# Altium PCB Radio.PcbDoc (part 1 of 3) (continued)
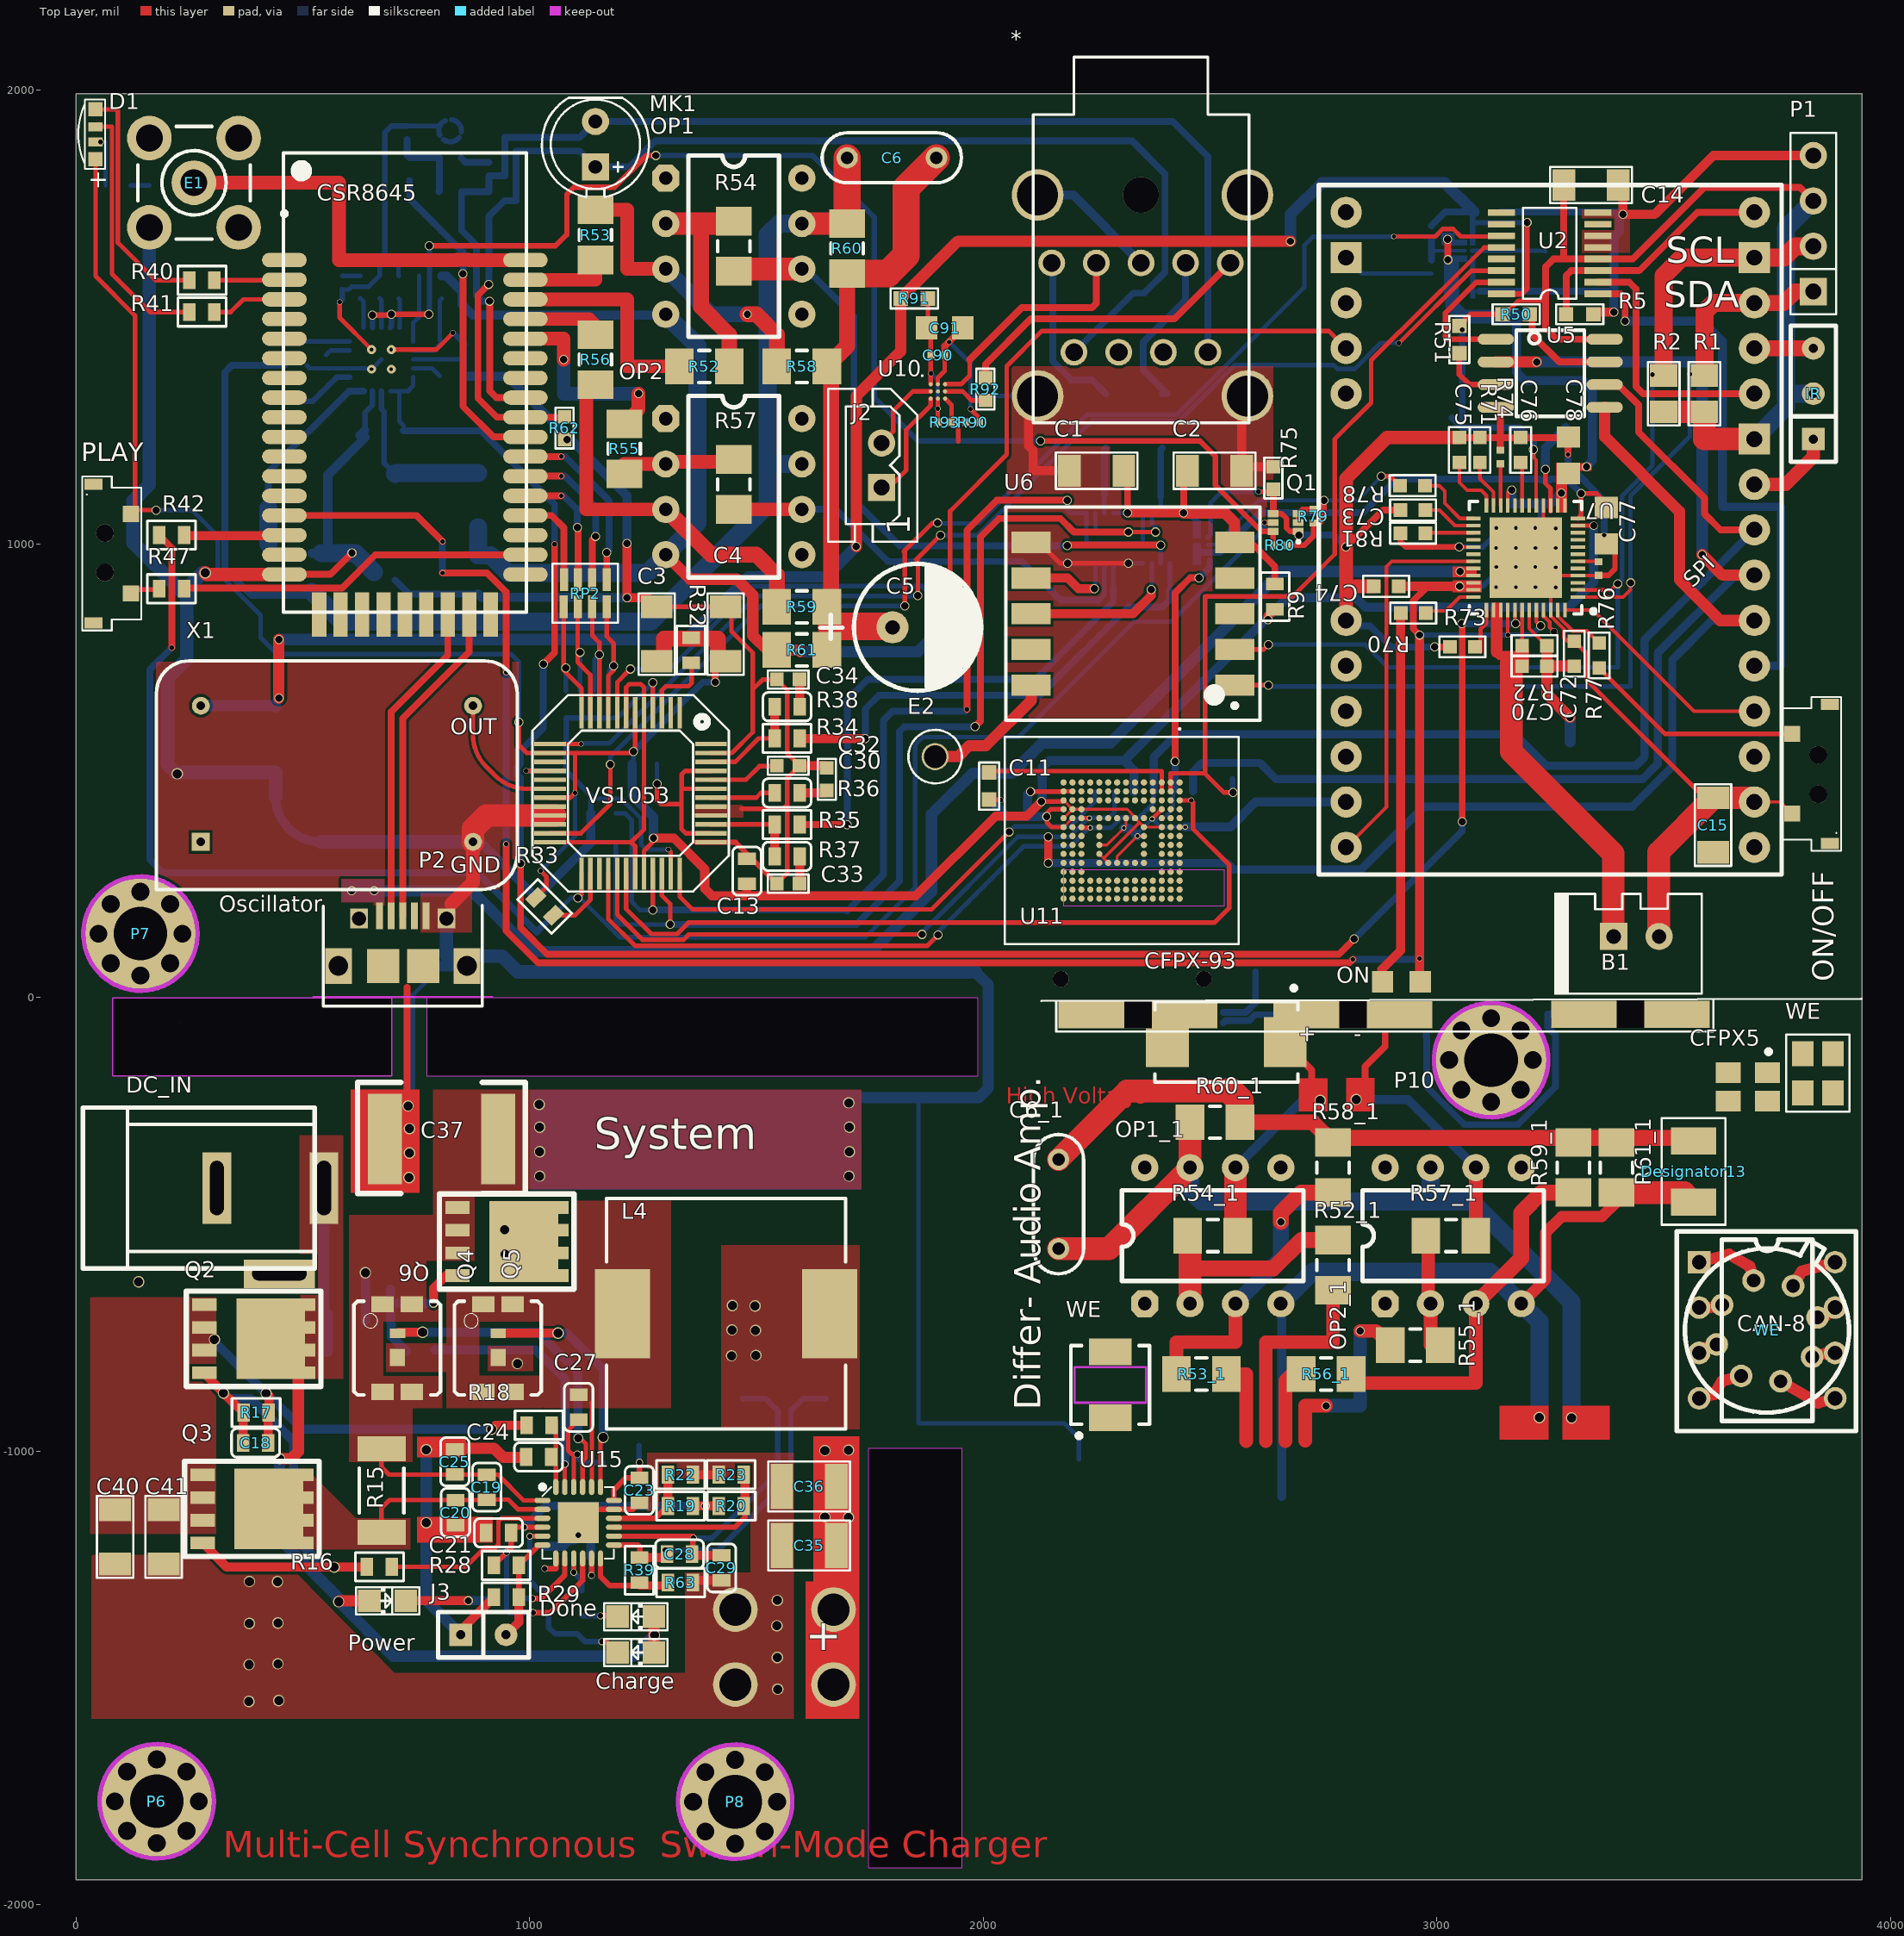
[diagram p0: Top Layer view]
## Components (designator, comment, footprint, x,y, rotation, side; value= is the part's Value field where it differs from the comment) (continued)
ON "RED" CHIPLED_0805_NOOUTLINE 2921.76,34.7 r90 top (schematic designator ON1)
ON/OFF "PWR" sw_side 3826,448 r90 top (schematic designator S1)
OP1 "OPAMP" DIP-8 1300,1806 r0 top
OP1_1 "OPAMP" DIP-8 2356,-675 r90 top
OP2 "OPAMP" DIP-8 1300,1276 r0 top
OP2_1 "OPAMP" DIP-8 2886,-675 r90 top
P1 "ST-TF-003A" *SUNTECH_ST-TF-003A_ST-TF-003A(Primary) 2341.21,244.47 r180 bottom
P1 "OLED" SIP4 3830,1556 r90 top
P2 "20329" "USB MICRO" 720.23,124.68 r0 top
P6 "RCA" "定位孔 Φ3 1" 178,-1772 r0 top
P7 "RCA" "定位孔 Φ3 1" 142,140.7 r0 top
P8 "RCA" "定位孔 Φ3 1" 1453,-1773 r0 top
P10 "RCA" "定位孔 Φ3 1" 3119.48,-138 r0 top
PLAY "CSR" sw_side 78.74,1023.62 r270 top (schematic designator S2)
Power "LED" LED-0805 687,-1330 r0 top (schematic designator D7)
Q1 "DMN5L06VK-7" sot-563 2571.48,1046.94 r90 top
Q2 "FDMS6681Z" SON8 392,-752.46 r180 top
Q3 "FDMS6681Z" SON8 388,-1127.46 r180 top
Q4 "IRF6721" DIRECTFET_IRF6721Primary) 708,-773 r270 top
Q5 "IRF6721" DIRECTFET_IRF6721Primary) 930,-773 r270 top
Q6 "FDMS6681Z" SON8 950,-538 r180 top
R1 "10K" 0805 3590,1371 r270 top
R2 "10K" 0805 3500,1371 r270 top
R3 "56K" 0201 2988.27,1686.53 r90 bottom value=56KΩ
R4 "10K" 0201 2988.29,1610.59 r90 bottom value=10KΩ
R5 "10K" 0603 3345,1506 r180 top
R6 "100K" 0603AR 1135,406 r0 bottom
R7 "100K" 0603AR 1135,341 r0 bottom
R8 "100K" 0603AR 1014.11,220.44 r315 bottom
R9 "0" 0603AR 2643,856 r90 top
R15 "RAC" 2010 673.46,-1087 r270 top
R16 "1K" 0603AR 696.46,-1255 r180 top
R17 "100K" 0603AR 424.46,-915 r180 top
R18 "10ohm" 0603AR 1048.46,-943 r180 top
R19 "100k" 0603AR 1360,-1121 r180 top
R20 "100k" 0603AR 1417,-1121 r0 top
R21 "100k" 0603AR 1080,-1164 r0 bottom
R22 "32.4K" 0603AR 1305,-1052 r0 top
R23 "10k" 0603AR 1471.8,-1052 r180 top
R24 "22.1k" 0603AR 1135,-1231 r180 bottom
R25 "10k" 0603AR 1042,-1364 r90 bottom
R26 "10k" 0603AR 1115,-1363 r90 bottom
R27 "10k" 0603AR 921,-1321.74 r0 bottom
R28 "10k" 0603AR 976,-1252 r180 top
R29 "430k" 0603AR 921,-1322 r0 top
R30 "0ohm" 0603AC 1094,882 r0 bottom
R31 "0ohm" 0603AC 1225.61,514.54 r0 bottom
R32 "10K" 0603AR 1356,738 r90 top
R33 "10K" 0603AR 1052.68,181.25 r135 top
R34 "470" 0603AR 1540,571 r0 top
R35 "470" 0603AR 1540,381 r0 top
R36 "10" 0603AC 1540,451 r0 top
R37 "20" 0603AC 1540,311 r0 top
R38 "20" 0603AC 1540,641 r0 top
R39 "500K" 0603AR 1242,-1235 r270 top
R40 "470" 0603AR 305,1581 r180 top
R41 "470" 0603AR 305,1511 r180 top
R42 "470" 0603AR 238,1019.22 r180 top
R43 "470" 0603AR 120,1790 r180 bottom
R44 "1K" 0603AR 736.32,-777.05 r0 bottom
R45 "100K" 0603AR 638,-712 r0 bottom
R46 "RSR" 2010 1561,-884 r180 bottom
R47 "470" 0603AR 183,901 r0 top
R48 "100/500" 0402 735,1851 r270 bottom
R49 "1k" 0402 800,1776 r0 bottom
R50 "10K" 0603 3145,1506 r0 top
R51 "10K" 0603 3049.58,1480.36 r270 top
R52 "10K" MELF-R3216-1206 1385,1391 r180 top
R52_1 "10K" MELF-R3216-1206 2771,-590 r270 top
R53 "10K" MELF-R3216-1206 1145,1681 r270 top
R53_1 "10K" MELF-R3216-1206 2481,-830 r0 top
R54 "10K" MELF-R3216-1206 1450,1656 r90 top
R54_1 "10K" MELF-R3216-1206 2506,-525 r180 top
R55 "10K" MELF-R3216-1206 1208.54,1209.54 r90 top
R55_1 "10K" MELF-R3216-1206 2952.46,-766.46 r180 top
R56 "10K" MELF-R3216-1206 1145,1406 r90 top
R56_1 "10K" MELF-R3216-1206 2756,-830 r180 top
R57 "10K" MELF-R3216-1206 1450,1131 r90 top
R57_1 "10K" MELF-R3216-1206 3031,-525 r180 top
R58 "10K" MELF-R3216-1206 1600,1391 r0 top
R58_1 "10K" MELF-R3216-1206 2771,-375 r90 top
R59 "10K" MELF-R3216-1206 1600,861 r180 top
R59_1 "10K" MELF-R3216-1206 3301,-375 r270 top
R60 "10K" MELF-R3216-1206 1700,1651 r270 top
R60_1 "10K" MELF-R3216-1206 2511,-275 r0 top
R61 "10K" MELF-R3216-1206 1600,766 r180 top
R61_1 "10K" MELF-R3216-1206 3396,-375 r270 top
R62 "2k2" 0402 1076.88,1280.22 r270 top
R63 "100K" 0603AR 1305,-1290 r0 top
R70 "470" 0603R-10K 2920.53,847.27 r0 top
R71 "200K" 0603R-10K 3094.83,1179.35 r90 top
R72 "30moh" 0603R-10K 3187.83,775.35 r0 top
R73 "NTC" 0603R-10K 3028.79,772.81 r0 top
R74 "0ohm" 0201 3139.83,1191.35 r90 top
R75 "0ohm" 0402 2639.65,1120 r90 top
R76 "0ohm" 0201 3356.83,945.69 r270 top
R77 "1k" 0603R-10K 3357.83,781.35 r270 top
R78 "10K" 0603R-10K 2974.01,1128.25 r180 top
R79 "100K" 0201 2727.87,1060.75 r270 top
R80 "100K" 0201 2654.62,996.63 r0 top
R81 "0" 0603R-10K 2974.83,1023.35 r180 top
R90 "100K" 0201 1977,1268 r0 top
R91 "0" 0603 1878,1541 r180 top
R92 "0" 0402 2005,1316 r90 top
R93 "100K" 0201 1915,1268 r0 top
RC1 "17k" 0402 627.01,1541.12 r90 bottom
RC2 "18k" 0402 711.14,1540.7 r90 bottom
RFB1 "137k" 0402 508.64,1393.32 r90 bottom
RFB2 "118k" 0402 806.22,1540.7 r180 bottom
RFT1 "2.43M" 0402 460.14,1443.32 r270 bottom
RFT2 "2.32M" 0402 756.22,1590.7 r0 bottom
RP1 "100k" RN8 1175,616 r180 bottom
RP2 "470ohm" RN8 1170,921 r180 top
Rslew "0ohm" 0201 551.61,1402.09 r270 bottom
Rss "" 0402 669.29,1541.1 r90 bottom
U2 "74HC138" TSSOP-16 3355,1551 r180 top
U5 "23LC1024" SO8NB 3250,1376 r270 top
U6 "RDA5807M" RDA5807M 2330,846 r180 top
U7 "AXP202" QFN-48-6MM 3195.83,969.35 r180 top
U8 "TS5A3359" DCU-8N 2257.17,1012.61 r90 bottom
U9 "TS5A3359" DCU-8N 2381.5,1012.61 r90 bottom
U10 "MAX98300+" WLP-9 1900,1336 r0 top
U11 "eMMC 153" BGA153N50P14X14_1300X1150X100N_EM08APGD3-BA000-2(Primary) 2305,346 r270 top
U12 "ADP5071" LFCSP-20 673.23,1406.65 r0 bottom
U13 "TPS61046" WCSP-6-DSBGA-6 3069.54,1646.27 r0 bottom
U14 "TPS22924C" WCSP-6-DSBGA-6 2479.14,1006.05 r270 bottom
U15 "BQ24610RGER" QFN-24 1107,-1158 r0 top
VS1053 "VS1053B" LQFP-48 1330.85,627.52 r180 top (schematic designator U3)
WE "Comment" DIP8 3578.23,-583.68 r0 top
WE "Comment" TXC 3840,-167 r90 top
WE "Comment" "WE-LHMI 4020" 2280,-854 r90 top
X1 "12.288MHz" DIL-14 875.18,343 r0 top

## Footprints (in the part's own frame and the unit in brackets; to place one, negate y for a bottom-side part, rotate by r counter-clockwise, add the part's x,y. Pads: shape width x height; smd on the part's side, far side on the other; paste and mask are expansions set on the pad)
0201 [mm] "Chip Capacitor, 2-Leads, Body 0.60x0.30mm, IPC Medium Density"
  rect 0.4x0.44 smd: 1(-0.38,0) 2(0.38,0)
  body extent -0.3,-0.15 0.3,0.15, height 0.23
0402 [mil]
  rect 30x30 smd: 1(0,0) 2(50,0)
  silkscreen extent -20,-20 70,20, body extent -6,-16 57,16, height 24
0603 [mil]
  rect 32x32 smd: 1(0,0) 2(60,0)
  silkscreen extent -22,-22 82,22
"0603 cap" [mm]
  rect 0.8x0.8 smd: 1(-0.762,0) 2(0.762,0)
  silkscreen extent -1.4,-0.63 1.4,0.64, body extent -0.8,-0.4 0.8,0.4, height 0.9
0603AC [mm]
  rect 0.7x1 smd: 1(0,0) 2(1.4,0)
  silkscreen extent -0.65,-0.8 2.05,0.8, body extent -0.1,-0.4 1.5,0.4, height 0.3
0603AR [mm]
  rect 0.7x1 smd: 1(0,0) 2(1.4,0)
  silkscreen extent -0.65,-0.8 2.05,0.8, body extent -0.09,-0.38 1.51,0.42, height 0.3
0603C-GENERIC [mil]
  rect 30x30 smd: 1(0,0) 2(55,0)
  silkscreen extent -23,-23 78,23, body extent -4,-15 59,15, height 19
0603R-10K [mil]
  rect 30x30 smd: 1(0,0) 2(55,0)
  silkscreen extent -23,-23 78,23, body extent -4,-15 59,15, height 20
0805 [mil]
  rect 50x60 smd: 1(0,0) 2(80,0)
  silkscreen extent -30,-35 110,35
0805C [mil]
  rect 40x50 smd: 1(0,0) 2(85,0)
  silkscreen extent -32,-38 117,38, body extent 3,-25 82,25, height 30
1204_RGB [mm]
  rect 0.8x0.8 smd mask+0.05: 1(-0.975,0.025) 4(1.825,0.025)
  rect 0.5x0.8 smd mask+0.05: 2(0,0.025) 3(0.85,0.025)
  silkscreen extent -2.5,-0.5 2.38,1, body extent -0.58,-0.55 1.44,0.7, height 1.1
1206 [mil]
  rect 50x70 smd: 1(0,0) 2(120,0)
  silkscreen extent -30,-40 150,40, body extent -6,-31 120,32, height 39
1210 [mil]
  rect 50x100 smd: 1(0,0) 2(120,0)
  silkscreen extent -30,-55 150,55, body extent -1,-49 125,49, height 51
1210C-GENERIC [mil]
  rect 60x100 smd: 1(0,0) 2(135,0)
  silkscreen extent -50,-70 185,70, body extent -10,-50 145,50, height 46
2010 [mm]
  rect 1.4x2.7 smd: 1(-2.35,0) 2(2.35,0)
  silkscreen extent -1.25,-1.25 1.25,1.25, body extent -2.7,-1.35 2.7,1.35, height 0.8
2220 [mil]
  rect 75x200 smd: 1(0,0) 2(250,0)
  silkscreen extent -60,-125 310,120
3528 [mm]
  rect 1.905x2 smd: 1(0,0) 2(3.683,0)
  silkscreen extent -1.4,-1.65 5.08,1.65
*SUNTECH_ST-TF-003A_ST-TF-003A(Primary) [mm]
  rect 0.7x1.6 smd: 1(3.52,5.33) 2(2.42,5.33) 3(1.32,5.33) 4(0.22,5.33) 5(-0.88,5.33) 6(-1.98,5.33) 7(-3.08,5.33) 8(-4.18,5.33) 9(-5.28,5.33)
  rect 1.4x1.6 smd: G1(-6.58,4.73)
  rect 1.4x2.2 smd: G2(-6.58,-4.77) G3(9.12,-4.77)
  rect 1.8x1.4 smd: G4(8.22,4.83)
  round 0.9 hole 0.9 unplated: None(-3.68,-5.17) None(4.32,-5.17)
  Keep-Out Layer region: 4.172,0.928 4.172,-1.073 -4.833,-1.073 -4.833,0.928
  Keep-Out Layer region: 4.172,0.928 4.172,-1.073 -4.833,-1.073 -4.833,0.928
  Keep-Out Layer region: 4.172,0.928 4.172,-1.073 -4.833,-1.073 -4.833,0.928
  silkscreen extent -6.29,-9.66 8.7,5.33
_0805MP [mil]
  rect 47.24x51.18 smd: 1(-40,0) 2(40,0)
ADMP504 [mm] "DFN, 3-Leads, Body 2.50x3.40mm, Pitch 1.52mm, IPC High Density,Si Mic, mems"
  rect 0.95x0.7 smd: 1(-0.895,0.61) 3(-0.895,-0.61)
  rect 0.15x0.15 smd paste+0 mask+0.05: 2(0.022,0.003)
  rect 0.15x0.15 smd rot 45 paste+0 mask+0.05: 2(0.875,-0.571)
  rect 0.2x0.2 smd rot 45 paste+0 mask+0.05: 2(1.05,0.446)
  Top Layer lines w0.3: 0.132,-0.377 cw(c0.65,0) 0.253,0.503 ; 1.198,-0.287 cw(c0.625,0) 0.888,-0.585 ; 1.247,0.075 ccw(c0.612,-0.012) 0.575,0.627 ; 0.38,-0.592 ccw(c0.625,0) 0.888,-0.585 ; 0.38,-0.592 ccw(c0.625,0) 0.888,-0.585 ; 0.38,-0.592 ccw(c0.625,0) 0.888,-0.585 ; 0.38,-0.592 ccw(c0.625,0) 0.888,-0.585
  silkscreen extent -1.8,-1.35 1.8,1.7, body extent -1.71,-1.3 1.72,1.28, height 0.98
BGA153N50P14X14_1300X1150X100N_EM08APGD3-BA000-2(Primary) [mm] "BGA-153 eMMC"
  round 0.35 smd: A1(-3.25,3.25) A2(-2.75,3.25) A3(-2.25,3.25) A4(-1.75,3.25) A5(-1.25,3.25) A6(-0.75,3.25) A7(-0.25,3.25) A8(0.25,3.25) A9(0.75,3.25) A10(1.25,3.25) A11(1.75,3.25) A12(2.25,3.25) A13(2.75,3.25) A14(3.25,3.25) B1(-3.25,2.75) B2(-2.75,2.75) B3(-2.25,2.75) B4(-1.75,2.75) B5(-1.25,2.75) B6(-0.75,2.75) B7(-0.25,2.75) B8(0.25,2.75) B9(0.75,2.75) B10(1.25,2.75) B11(1.75,2.75) B12(2.25,2.75) B13(2.75,2.75) B14(3.25,2.75) C1(-3.25,2.25) C2(-2.75,2.25) C3(-2.25,2.25) C4(-1.75,2.25) C5(-1.25,2.25) C6(-0.75,2.25) C7(-0.25,2.25) C8(0.25,2.25) C9(0.75,2.25) C10(1.25,2.25) C11(1.75,2.25) C12(2.25,2.25) C13(2.75,2.25) C14(3.25,2.25) D1(-3.25,1.75) D2(-2.75,1.75) D3(-2.25,1.75) D4(-1.75,1.75) D12(2.25,1.75) D13(2.75,1.75) D14(3.25,1.75) E1(-3.25,1.25) E2(-2.75,1.25) E3(-2.25,1.25) E5(-1.25,1.25) E6(-0.75,1.25) E7(-0.25,1.25) E8(0.25,1.25) E9(0.75,1.25) E10(1.25,1.25) E12(2.25,1.25) E13(2.75,1.25) E14(3.25,1.25) F1(-3.25,0.75) F2(-2.75,0.75) F3(-2.25,0.75) F5(-1.25,0.75) F10(1.25,0.75) F12(2.25,0.75) F13(2.75,0.75) F14(3.25,0.75) G1(-3.25,0.25) G2(-2.75,0.25) G3(-2.25,0.25) G5(-1.25,0.25) G10(1.25,0.25) G12(2.25,0.25) G13(2.75,0.25) G14(3.25,0.25) H1(-3.25,-0.25) H2(-2.75,-0.25) H3(-2.25,-0.25) H5(-1.25,-0.25) H10(1.25,-0.25) H12(2.25,-0.25) H13(2.75,-0.25) H14(3.25,-0.25) J1(-3.25,-0.75) J2(-2.75,-0.75) J3(-2.25,-0.75) J5(-1.25,-0.75) J10(1.25,-0.75) J12(2.25,-0.75) J13(2.75,-0.75) J14(3.25,-0.75) K1(-3.25,-1.25) K2(-2.75,-1.25) K3(-2.25,-1.25) K5(-1.25,-1.25) K6(-0.75,-1.25) K7(-0.25,-1.25) K8(0.25,-1.25) K9(0.75,-1.25) K10(1.25,-1.25) K12(2.25,-1.25) K13(2.75,-1.25) K14(3.25,-1.25) L1(-3.25,-1.75) L2(-2.75,-1.75) L3(-2.25,-1.75) L12(2.25,-1.75) L13(2.75,-1.75) L14(3.25,-1.75) M1(-3.25,-2.25) M2(-2.75,-2.25) M3(-2.25,-2.25) M4(-1.75,-2.25) M5(-1.25,-2.25) M6(-0.75,-2.25) M7(-0.25,-2.25) M8(0.25,-2.25) M9(0.75,-2.25) M10(1.25,-2.25) M11(1.75,-2.25) M12(2.25,-2.25) M13(2.75,-2.25) M14(3.25,-2.25) N1(-3.25,-2.75) N2(-2.75,-2.75) N3(-2.25,-2.75) N4(-1.75,-2.75) N5(-1.25,-2.75) N6(-0.75,-2.75) N7(-0.25,-2.75) N8(0.25,-2.75) N9(0.75,-2.75) N10(1.25,-2.75) N11(1.75,-2.75) N12(2.25,-2.75) N13(2.75,-2.75) N14(3.25,-2.75) P1(-3.25,-3.25) P2(-2.75,-3.25) P3(-2.25,-3.25) P4(-1.75,-3.25) P5(-1.25,-3.25) P6(-0.75,-3.25) P7(-0.25,-3.25) P8(0.25,-3.25) P9(0.75,-3.25) P10(1.25,-3.25) P11(1.75,-3.25) P12(2.25,-3.25) P13(2.75,-3.25) P14(3.25,-3.25)
  silkscreen extent -6.3,-6.55 5.8,6.55, body extent -5.75,-6.5 5.75,6.5, height 1
CAN8 [mil]
  round 50 hole 30: 1(0,0) 2(-34,81) 3(-115,115) 4(-196,81) 5(-230,0) 6(-196,-81) 7(-115,-115) 8(-34,-81)
  silkscreen extent -295,-181 67,181
CFPX-5 [mm] "Quartz Crystal, SM; Body 3.4 x 2.7 mm (LxW max)"
  rect 1.4x1.15 smd: 1(-1.1,-0.8) 2(1.1,-0.8) 3(1.1,0.8) 4(-1.1,0.8)
  silkscreen extent -1.27,-2.09 -1.03,-1.84, body extent -1.6,-1.28 1.6,1.22, height 0.77
CFPX-93 [mm] "Quartz Crystal, SM; Body 8.2 x 4.7 mm (LxW max)"
  rect 2.4x2.8 smd: 1(-3.3,0) 2(3.3,0)
  silkscreen extent -4,-3.14 4,2.25
CHIPLED_0805_NOOUTLINE [mm]
  rect 1.2x1.2 smd: A(0,-1.05) C(0,1.05)
CSR8645 [mm] "TQFP, 52-Leads, Body 13.50x26.20mm, Pitch 1.10mm, IPC Medium Density"
  oval 2.5x0.8 smd: 1(-6.75,7.1) 2(-6.75,5.999) 3(-6.75,4.9) 4(-6.75,3.799) 5(-6.75,2.7) 6(-6.75,1.599) 7(-6.75,0.5) 8(-6.75,-0.601) 9(-6.75,-1.7) 10(-6.75,-2.801) 11(-6.75,-3.9) 12(-6.75,-5) 13(-6.75,-6.101) 14(-6.75,-7.2) 15(-6.75,-8.301) 16(-6.75,-9.4) 17(-6.75,-10.501) 27(6.75,-10.501) 28(6.75,-9.4) 29(6.75,-8.301) 30(6.75,-7.2) 31(6.75,-6.101) 32(6.75,-5) 33(6.75,-3.9) 34(6.75,-2.801) 35(6.75,-1.7) 36(6.75,-0.601) 37(6.75,0.5) 38(6.75,1.599) 39(6.75,2.7) 40(6.75,3.799) 41(6.75,4.9) 42(6.75,5.999) 43(6.75,7.1)
  rect 0.8x2.5 smd: 18(-4.8,-12.749) 19(-3.6,-12.749) 20(-2.4,-12.749) 21(-1.2,-12.749) 22(0,-12.749) 23(1.2,-12.749) 24(2.4,-12.749) 25(3.6,-12.749) 26(4.8,-12.749)
  silkscreen extent -6.87,-12.62 6.8,13.1, body extent -6.52,-12.35 6.48,16.15, height 2.86
DCIN [mm]
  rect 1.6x4 hole 0.8 slot 3.048 at 90 deg: 1(0,0)
  rect 1.6x4 hole 0.762 slot 3.048 at 90 deg: 2(6,0)
  rect 4x1.6 hole 0.762 slot 3.048 at 0 deg: 3(2.5,4.8)
  silkscreen extent 0.52,-4.5 13.5,4.5, body extent -0.2,-4.5 13.62,5, height 11.2
DCU-8N [mm]
  rect 1.12x0.27 smd: 1(-1.405,0.75) 2(-1.405,0.25) 3(-1.405,-0.25) 4(-1.405,-0.75) 5(1.405,-0.75) 6(1.405,-0.25) 7(1.405,0.25) 8(1.405,0.75)
  silkscreen extent -2.6,-1.2 1.2,1.2
DIL-14 [mm]
  rect 1x1 hole 0.48: 1(-15.25,0)
  round 1 hole 0.48: 2(0,0) 3(0,7.62) 4(-15.24,7.62)
  silkscreen extent -17.73,-2.67 2.48,10.13, body extent -17.72,-2.67 2.48,10.03, height 4.6
DIP8 [mil]
  rect 50x50 hole 32: 1(0,0)
  round 50 hole 32: 2(0,-100) 3(0,-200) 4(0,-300) 5(300,-300) 6(300,-200) 7(300,-100) 8(300,0)
  silkscreen extent 50,-350 250,50
DIP-8 [mil]
  oct 60x60 hole 30: 1(0,0)
  round 60 hole 30: 2(0,-100) 3(0,-200) 4(0,-300) 5(300,-300) 6(300,-200) 7(300,-100) 8(300,0)
  silkscreen extent 50,-350 250,50, body extent -5,-365 305,65, height 200
DIRECTFET_IRF6721Primary) [mm]
  rect 0.9x1.25 smd: D(-2.45,0.825) D(-2.45,-0.825) D(2.45,0.825) D(2.45,-0.825)
  rect 0.55x0.85 smd: G(-0.827,0.025)
  rect 0.95x0.85 smd: S(0.523,0.018)
  silkscreen extent -2.63,-2.42 2.63,2.43, body extent -3.17,-2.55 3.18,2.5, height 0.75
IHLP2525 [mm] "Precision Wire Wound Inductor, 2-Leads, Body 6.86x6.47mm, IPC Medium Density"
  rect 2.2x3.55 smd: 1(-2.975,0) 2(2.975,0)
  silkscreen extent -3.45,-3.25 3.45,3.25, body extent -3.53,-3.33 3.45,3.34, height 1.64
IHLP5050 [mm] "Precision Wire Wound Inductor, 2-Leads, Body 13.40x12.90mm, IPC Medium Density"
  rect 3.1x5 smd: 1(-5.8,0) 2(5.8,0)
  silkscreen extent -6.7,-6.45 6.7,6.45, body extent -6.62,-6.36 6.54,6.4, height 3.39
LED-0805 [mil]
  rect 50x50 smd: 1(-40,0) 2(40,0)
  silkscreen extent -70,-30 70,30
LED-F3 [mil]
  rect 60x60 hole 30: 1(0,0)
  round 60 hole 30: 2(0,-100)
  silkscreen extent -118,-152 118,66
LFCSP-20 [mm] "PQFN, 20-Leads, Body 4.00x4.00mm, Pitch 0.50mm, Thermal Pad 2.60x2.60mm, IPC Low Density"
  oval 0.6x0.4 smd: 1(-1.775,1) 2(-1.775,0.5) 3(-1.775,0) 4(-1.775,-0.5) 5(-1.775,-1) 11(1.775,-1) 12(1.775,-0.5) 13(1.775,0) 14(1.775,0.5) 15(1.775,1)
  oval 0.4x0.6 smd: 6(-1,-1.775) 7(-0.5,-1.775) 8(0,-1.775) 9(0.5,-1.775) 10(1,-1.775) 16(1,1.775) 17(0.5,1.775) 18(0,1.775) 19(-0.5,1.775) 20(-1,1.775)
  rect 2.6x2.6 smd: 21(0,0)
  silkscreen extent -2.77,-2 2,2, body extent -2.01,-2.01 2.01,2.01, height 0.8
LPS5030 [mm] "Precision Wire Wound Inductor, 2-Leads, Body 4.80x4.80mm, IPC Medium Density"
  rect 2.2x5.65 smd: 1(-1.823,0) 2(1.823,0)
  silkscreen extent -0.45,-2.4 0.45,2.4, body extent -2.44,-2.44 2.44,2.44, height 3
LQFP-48 [mil]
  rect 10x70 smd: 1(0,0) 2(19.69,0) 3(39.37,0) 4(59.06,0) 5(78.74,0) 6(98.43,0) 7(118.11,0) 8(137.8,0) 9(157.48,0) 10(177.17,0) 11(196.85,0) 12(216.54,0) 25(216.54,354.33) 26(196.85,354.33) 27(177.17,354.33) 28(157.48,354.33) 29(137.8,354.33) 30(118.11,354.33) 31(98.43,354.33) 32(78.74,354.33) 33(59.06,354.33) 34(39.37,354.33) 35(19.69,354.33) 36(0,354.33)
  rect 70x10 smd: 13(285.43,68.9) 14(285.43,88.58) 15(285.43,108.27) 16(285.43,127.95) 17(285.43,147.64) 18(285.43,167.32) 19(285.43,187.01) 20(285.43,206.69) 21(285.43,226.38) 22(285.43,246.06) 23(285.43,265.75) 24(285.43,285.43) 37(-68.9,285.43) 38(-68.9,265.75) 39(-68.9,246.06) 41(-68.9,206.69) 42(-68.9,187.01) 43(-68.9,167.32) 44(-68.9,147.64) 45(-68.9,127.95) 46(-68.9,108.27) 47(-68.9,88.58) 48(-68.9,68.9)
  rect 70.87x10 smd: 40(-68.9,226.38)
  silkscreen extent -108,-39 325,394, body extent -71,-2 283,352, height 61
MELF-R3216-1206 [mm] "Metal Electrode Face (MELF) Resistor; Body 3.2 x 1.8 mm (LxDia)"
  rect 1.6x2 smd: 1(-1.4,0) 2(1.4,0)
  silkscreen extent -0.3,-0.9 0.3,0.9, body extent -1.72,-0.7 1.88,0.7, height 1.4
P125-B [mil]
  round 60 hole 50: 1(0,0)
  silkscreen extent -59,-59 59,59
pj-31030 [mm] "2-Holes Audio Socket"
  round 1.5 hole 1 paste+0 mask+0.05: 1(8.3,6.04) 2(13.3,9.79) 3(13.3,7.29) 4(13.3,2.29) 5(13.3,4.79) 6(8.3,11.04) 7(8.3,8.54) 8(8.3,1.04) 9(8.3,3.54)
  round 2.9 hole 2.3 paste+0 mask+0.05: 10(15.75,0.25) 11(4.5,0.25) 12(4.5,12) 13(15.75,12)
  silkscreen extent -3.23,0 17.25,12.09
QFN-24 [mm]
  oval 0.9x0.3 smd: 1(-2,1.25) 2(-2,0.75) 3(-2,0.25) 4(-2,-0.25) 5(-2,-0.75) 6(-2,-1.25) 13(2,-1.25) 14(2,-0.75) 15(2,-0.25) 16(2,0.25) 17(2,0.75) 18(2,1.25)
  oval 0.3x0.9 smd: 7(-1.25,-2) 8(-0.75,-2) 9(-0.25,-2) 10(0.25,-2) 11(0.75,-2) 12(1.25,-2) 19(1.25,2) 20(0.75,2) 21(0.25,2) 22(-0.25,2) 23(-0.75,2) 24(-1.25,2)
  rect 2.286x2.286 smd: 25(0,0)
  silkscreen extent -2.13,-2 2,2.13
QFN-48-6MM [mm] "QFN, 48-Leads, Body 6.00x6.00mm, Pitch 0.40mm, Thermal Pad 4.05x4.50mm, IPC Medium Density"
  rect 0.8x0.2 smd: 1(-2.925,2.2) 2(-2.925,1.8) 3(-2.925,1.4) 4(-2.925,1) 5(-2.925,0.6) 6(-2.925,0.2) 7(-2.925,-0.2) 8(-2.925,-0.6) 9(-2.925,-1) 10(-2.925,-1.4) 11(-2.925,-1.8) 12(-2.925,-2.2) 25(2.925,-2.2) 26(2.925,-1.8) 27(2.925,-1.4) 28(2.925,-1) 29(2.925,-0.6) 30(2.925,-0.2) 31(2.925,0.2) 32(2.925,0.6) 33(2.925,1) 34(2.925,1.4) 35(2.925,1.8) 36(2.925,2.2)
  rect 0.2x0.8 smd: 13(-2.2,-2.925) 14(-1.8,-2.925) 15(-1.4,-2.925) 16(-1,-2.925) 17(-0.6,-2.925) 18(-0.2,-2.925) 19(0.2,-2.925) 20(0.6,-2.925) 21(1,-2.925) 22(1.4,-2.925) 23(1.8,-2.925) 24(2.2,-2.925) 37(2.2,2.925) 38(1.8,2.925) 39(1.4,2.925) 40(1,2.925) 41(0.6,2.925) 42(0.2,2.925) 43(-0.2,2.925) 44(-0.6,2.925) 45(-1,2.925) 46(-1.4,2.925) 47(-1.8,2.925) 48(-2.2,2.925)
  rect 4.05x4.5 smd: 49(0,0)
  silkscreen extent -3.93,-3.15 3.15,3.15, body extent -3.08,-3.08 3.08,3.08, height 1
RB3/7MM [mm]
  round 1.8 hole 0.8: 1(0,0) 2(-2.794,0)
  silkscreen extent -4.95,-3.56 4.05,3.56, body extent -5.58,-4.06 2.54,4.06, height 12.12
RDA5807M [mm]
  rect 2.2x1.2 smd: 1(-5.7,4) 2(-5.7,2) 3(-5.7,0) 4(-5.7,-2) 5(-5.7,-4) 6(5.7,-4) 7(5.7,-2) 8(5.7,0) 9(5.7,2) 10(5.7,4)
  silkscreen extent -7.11,-5.97 7.11,5.97, body extent -5.5,-5.5 5.5,5.5, height 2.2
RN8 [mil]
  rect 18x50 smd: 1(0,0) 2(32,0) 3(63.51,0) 4(94.49,0) 5(95,60) 6(64,60) 7(32,60) 8(0,60)
  silkscreen extent -25,-35 120,95, body extent -16,-2 110,61, height 20
SIP02 [mm]
  rect 1.27x1.27 hole 0.5: 1(0,0)
  round 1.27 hole 0.5: 2(2.54,0)
  silkscreen extent -1.27,-1.27 3.81,1.27
SIP2_1 [mil]
  rect 60x60 hole 35: 1(0,0)
  round 60 hole 35: 2(98.42,0)
  silkscreen extent -120,-79 218,118
SIP03 [mm]
  rect 1.27x1.27 hole 0.5: 1(0,0)
  round 1.27 hole 0.5: 2(2.54,0) 3(5.08,0)
  silkscreen extent -1.27,-1.27 6.35,1.27
SIP4 [mil]
  rect 60x60 hole 35: 1(0,0)
  round 60 hole 35: 2(100,0) 3(200,0) 4(300,0)
  silkscreen extent -50,-50 350,50
SLF6028 [mm]
  rect 1.8x2.15 smd: 1(0,0) 2(5.8,0)
  silkscreen extent -0.14,-3.04 5.94,3.04
SMA_FR [mm]
  round 2.5 hole 1.5: 1(0,0) 2(-2.5,-2.5) 2(-2.5,2.5) 2(2.5,-2.5) 2(2.5,2.5)
  silkscreen extent -3.15,-3.15 3.15,3.15, body extent -3.5,-3.5 3.5,11.6, height 10.26
SO8NB [mil]
  oval 24x80 smd: 1(-75,-120) 2(-25,-120) 3(25,-120) 4(75,-120) 5(75,120) 6(25,120) 7(-25,120) 8(-75,120)
  silkscreen extent -95,-75 95,75, body extent -97,-118 96,118, height 61
SOD-123 [mil]
  rect 40x50 smd: 1(0,0) 2(120,0)
  silkscreen extent -20,-35 140,35
SON8 [mm]
  rect 1.372x0.71 smd: 1(2.77,-0.635) 1(2.77,0.635) 1(2.77,-1.905) 4(2.77,1.905)
  rect 0.59x0.71 smd: 5(-3.15,-1.905) 5(-3.15,1.905) 5(-3.15,-0.635) 5(-3.15,0.635)
  rect 3.85x4.52 smd: 5(-0.941,0)
  silkscreen extent -3.76,-2.67 3.78,2.67, body extent -3.18,-2.5 2.82,2.5, height 1.06
sot-23 [mil]
  rect 36x36 smd: 1(47.76,-120.28)
  rect 30x36 smd: 2(122.75,-120.28)
  rect 36x50 smd: 3(85.75,-40.28)
  silkscreen extent 28,-125 143,-35
sot-563 [mm]
  rect 0.4x0.6 smd: 1(-0.5,-3.125) 2(0,-3.125) 3(0.5,-3.125) 4(0.5,-1.725) 5(0,-1.725) 6(-0.5,-1.725)
  silkscreen extent -1.15,-3.2 -1,-3.05, body extent -0.8,-3.28 0.8,-1.65, height 0.58
sw_side [mm]
  rect 0.9x0.9 smd mask+0.05: 1(-1.075,1.075) 2(3.375,1.075)
  rect 0.627x1.016 smd mask+0.05: 3(-2.75,-1.025) 4(5.025,-1.025)
  round 1 hole 1: ""(0,-0.381) ""(2.2,-0.381)
  silkscreen extent -3.17,-1.65 5.45,1.65, body extent -2.54,-1.5 3.64,1.65, height 9.88
TJC3-2A [mil]
  rect 60x60 hole 32: 1(0,0)
  round 60 hole 32: 2(100,0)
  silkscreen extent -131,-128 194,97
TSSOP-16 [mil]
  rect 60x15 smd: 1(0,0) 2(0,-25.59) 3(0,-51.18) 4(0,-76.77) 5(0,-102.36) 6(0,-127.95) 7(0,-153.54) 8(0,-179.13) 9(212.6,-179.13) 10(212.6,-153.54) 11(212.6,-127.95) 12(212.6,-102.36) 13(212.6,-76.77) 14(212.6,-51.18) 15(212.6,-25.59) 16(212.6,0)
  silkscreen extent 47,-190 165,11, body extent -13,-191 223,5, height 43
TXC [mm]
  rect 1.4x1.2 smd: 1(-1.1,-0.85) 2(1.1,-0.85) 3(1.1,0.85) 4(-1.1,0.85)
  silkscreen extent -2.16,-1.78 2.16,1.78
"USB MICRO" [mm]
  rect 1.5x2 hole 1.1 unplated: 0(-3.6,-1.4) 0(3.6,-1.4)
  rect 1x1.1 hole 0.8 unplated: 0(-2.45,1.25) 0(2.45,1.25)
  rect 1.8x1.9 smd: 0(-1.1,-1.4) 0(1.15,-1.4)
  rect 0.4x1.5 smd: 1(-1.3,1.4) 2(-0.65,1.4) 3(0,1.4) 4(0.65,1.4) 5(1.3,1.4)
  Keep-Out Layer lines w0.125: -5,-3.15 5,-3.15
  silkscreen extent -4.45,-3.65 4.45,2, body extent -4.45,-3.65 4.45,1.45, height 1.86
WCSP-6-DSBGA-6 [mm] "WCSP"
  round 0.23 smd: A1(-0.2,0.4) A2(0.2,0.4) B1(-0.2,0) B2(0.2,0) C1(-0.2,-0.4) C2(0.2,-0.4)
  silkscreen extent -1.01,-0.7 0.5,1.01, body extent -0.45,-0.8 0.45,0.8, height 0.45
"WE-LHMI 4020" [mm] "SMD Inductor, 2-Leads, Body 4.45 x 4.06mm"
  rect 1.5x2.4 smd: 1(-1.85,0) 2(1.85,0)
  Keep-Out Layer lines w0.127: -1,2 -1,-2 1,-2 1,2 -1,2
  silkscreen extent -2.97,-2.2 2.2,2.2, body extent -2.22,-2.03 2.23,2.03, height 1.8
WIMA-MKS2C031001A00 [mm]
  round 1.2 hole 0.7: 1(0,0) 2(5,0)
  silkscreen extent -1.4,-1.4 6.4,1.4, body extent -1.01,-2.74 5.99,2.78, height 11
WLP-9 [mil] "1.2*1.2mm BGA"
  round 9 smd: A1(-15.75,15.75) A2(0,15.75) A3(15.75,15.75) B1(-15.75,0) B2(0,0) B3(15.75,0) C1(-15.75,-15.75) C2(0,-15.75) C3(15.75,-15.75)
  silkscreen extent -35,33 -33,35, body extent -24,-26 24,26, height 25
"定位孔 Φ3 1" [mm]
  round 1 hole 1: 1(-2.35,0) 1(-1.662,-1.662) 1(-1.662,1.662) 1(0,-2.35) 1(0,2.35) 1(1.662,-1.662) 1(1.662,1.662) 1(2.35,0)
  round 6.2 hole 3: 1(0,0)
  Keep-Out Layer circle w0.254: c0,0 r3.2

## Part data
*: "PJ-31030"
C1 C10 C11 C12 C14 C70 C72 C73 C74 C75 C76 C77 C78 C79 C80 C90 C91: library part CAP_CERAMIC_0805MP, "Ceramic CapacitorsFor new designs, use the packages preceded by an '_' character since they are more reliable:The following footprints should be used on most boards:For extremely tight-pitch boards where space is at a premium, the following 'micro-pitch' footprints can be used (smaller pads, no silkscreen outline, etc.):", DeviceName=_0805MP, DeviceSetName=CAP_CERAMIC, GateName_1=G$1, LibraryName=microbuilder, SymbolName_1=CAPACITOR
C2 C3 C4 C5 C6 C6_1 C7 C8 C9 C13 C15 C18 C19 C20 C21 C22 C23 C24 C25 C26 C27 C28 C29 C35 C36 C37 C38 C39 C40 C41 Cc1 Cc2 Cin1 Cout1 Cout2 CVREF CVREG: library part CAP, "Ceramic CapacitorsFor new designs, use the packages preceded by an '_' character since they are more reliable:The following footprints should be used on most boards:For extremely tight-pitch boards where space is at a premium, the following 'micro-pitch' footprints can be used (smaller pads, no silkscreen outline, etc.):", DeviceName=0603-NOOUTLINE, DeviceSetName=CAP_CERAMIC, GateName_1=G$1, LibraryName=microbuilder, SymbolName_1=CAPACITOR
C16 C17: library part Cap0805, "Capacitor", LatestRevisionDate=17-Jul-2002, LatestRevisionNote="Re-released for DXP Platform.", PackageDescription="Radial Cap, Thru-Hole; 2 Leads; 0.3 in Pin Spacing", PackageReference=RAD-0.3, Published=8-Jun-2000, Publisher="Altium Limited"
C30 C33 C34: "贴片电容", LatestRevisionDate=17-Jul-2002, LatestRevisionNote="Re-released for DXP Platform.", PackageReference=RAD-0.3, Published=8-Jun-2000, Publisher="Altium Limited"
C31: "Capacitor"
C32: library part Cap, "贴片电容", LatestRevisionDate=17-Jul-2002, LatestRevisionNote="Re-released for DXP Platform.", PackageReference=RAD-0.3, Published=8-Jun-2000, Publisher="Altium Limited"
Charge Done Power: "0805 LED"
CSR8645: "Bluetooth Audio"
D1: "LED-3528RGB"
D3 D4: library part MBRS140, "DIODE", Supplier Part Number 1=MBRS140FSTR-ND, Supplier 1=Digi-Key
D8: library part "DIODE SCHOTTKY_1"
DC_IN: library part CON2, "Therm"
E1 E2: "Generic Antenna"
J2: library part CON2, "Connector"
J3: "Therm"
L1 L4 L5: library part INDUCTOR1
L2 L3: library part INDUCTOR
L6: library part "Inductor Iron Dot", "Magnetic-Core Inductor with Winding Polarity Marking", LatestRevisionDate=17-Jul-2002, LatestRevisionNote="Re-released for DXP Platform.", PackageDescription="Diode; 2 Leads", PackageReference=DIODE_SMC, Published=24-Mar-1999, Publisher="Altium Limited"
MK1 MKSi: library part MICROPHONE2, "Microphone"
ON: library part LED0805_NOOUTLINE, "LED0603 - 0603 Surface Mount Package 2mA:5mA:0805 - 0805 Surface Mount Package 2mA:20mA:", DeviceName=0805_NOOUTLINE, DeviceSetName=LED, GateName_1=G$1, LibraryName=microbuilder, SymbolName_1=LED
ON/OFF PLAY: library part SW-PB
OP1 OP1_1 OP2 OP2_1: "Operational Amplifier"
P1: "Micro SD", Package=None, Availability=Unavailable, MF=Suntech, MP=ST-TF-003A, Price=None, SnapEDA_Link=https://www.snapeda.com/parts/ST-TF-003A/Suntech/view-part/?ref=snap
P1: library part "4 HEADER", "4 Pin Header"
P2: library part USB_W_SHIELD_20329, DeviceName=_20329, DeviceSetName=USB_W_SHIELD, GateName_1=CONN, GateName_2=SHIELD, LibraryName=microbuilder, SymbolName_1=USB, SymbolName_2=PINHD1
P6 P7 P8 P10: "RCA Connector"
Q1: "DUAL N-CHANNEL ENHANCEMENT MODE MOSFET SOT-563"
Q2 Q3 Q6: library part N-Mosfet
Q4 Q5: library part IRF6648, "Mosfet n-Ch 60v 86a Directfet  -  Irf6648", Package=None, Availability=Unavailable, MF=Infineon, MP=IRF6648, Price=None, SnapEDA_Link=https://www.snapeda.com/parts/IRF6648/Infineon%20Technologies/view-part/?ref=snap
R1 R2 R5 R6 R7 R8 R9 R30 R31 R32 R33 R34 R35 R36 R37 R38 R40 R41 R42 R43 R47 R48 R49 R50 R51 R52 R52_1 R53 R53_1 R54 R54_1 R55 R55_1 R56 R56_1 R57 R57_1 R58 R58_1 R59 R59_1 R60 R60_1 R61 R61_1 R62 R90 R91 R92 R93 RC1 RC2 RFB1 RFB2 RFT1 RFT2: library part RES2, "Resistor"
R3 R4: library part RES, "Resistor", LatestRevisionDate=17-Jul-2002, LatestRevisionNote="Re-released for DXP Platform.", PackageDescription="Axial Device, Thru-Hole; 2 Leads; 0.3 in Pin Spacing", PackageReference=AXIAL-0.3, Published=8-Jun-2000, Publisher="Altium Limited"
R15 R46: library part RES2, "0.01OHM"
R16 R17 R18 R19 R20 R21 R22 R23 R24 R25 R26 R27 R28 R29 R39 R44 R45 R63 Rslew: library part RES2
R70 R71 R72 R73 R74 R75 R76 R77 R78 R79 R80 R81: library part RESISTOR0805_NOOUTLINE, "ResistorsFor new designs, use the packages preceded by an '_' character since they are more reliable:The following footprints should be used on most boards:For extremely tight-pitch boards where space is at a premium, the following 'micro-pitch' footprints can be used (smaller pads, no silkscreen outline, etc.):", DeviceName=0805_NOOUTLINE, DeviceSetName=RESISTOR, GateName_1=G$1, LibraryName=microbuilder, SymbolName_1=RESISTOR
RP1 RP2: library part RESPACK4A, "Resistor Network"
Rss: library part RES2, "4 ms (268 kΩ) and 32 ms (50 kΩ)"
U2: "3-to-8 line decoder/demultiplexer; inverting"
U7: "Power system management PWM Charge"
U10: "Mono 2.6W ClassD Amp."
U11: "eMMC BGA-153 1.5x13x1.0", Package=None, Availability=Unavailable, MF="Delkin Devices", MP=EM08APGD3-BA000-2, Price=None, SnapEDA_Link=https://www.snapeda.com/parts/EM08APGD3-BA000-2/Delkin%20Devices/view-part/?ref=snap
U12: "2 A/1.2 A DC-to-DC Switching Regulator with / Independent Positive and Negative Outputs"
U13: "5V Boost"
U14: "3.6-V, 2-A, 18.3-mΩ On-Resistance Load Switch"
U15: "Stand-Alone Synchronous Switched-Mode Li-Ion or Li-Polymer Battery Charger / With System Power Selector and Low Iq"
X1: library part OSC, "有源晶振"

## Free pads (board coordinates)
  round 98.43 hole 70.87: 1(1670,-1514.68) 2(1670,-1349.32) 3(1453.46,-1514.68) 4(1453.46,-1349.32)
  round 69 hole 35: 1(2800,1731) 3(2800,1531) 4(2800,1431) 5(2800,1331) 10(2800,831) 11(2800,731) 12(2800,631) 13(2800,531) 14(2800,431) 15(2800,331) 16(3700,331) 17(3700,431) 18(3700,531) 19(3700,631) 20(3700,731) 21(3700,831) 22(3700,931) 23(3700,1031) 24(3700,1131) 26(3700,1331) 27(3700,1431) 28(3700,1531) 30(3700,1731)
  rect 69x69 hole 35: 2(2800,1631) 25(3700,1231) 29(3700,1631)
  rect 350x60 hole 60 square paste+0 mask+1.97: 31(2341,-38) 31(2815,-38) 31(3427,-37)

## Via types
v1: diameter 20, hole 16, Top Layer to Bottom Layer, 113 vias
v2: diameter 25, hole 20, Top Layer to Bottom Layer, 58 vias
v3: diameter 12, hole 10, Top Layer to Bottom Layer, 35 vias
v4: diameter 19.68, hole 7.87, Top Layer to Bottom Layer, 20 vias
v5: diameter 15, hole 12, Top Layer to Bottom Layer, 13 vias
v6: diameter 12, hole 8, Top Layer to Bottom Layer, 6 vias
v7: diameter 16, hole 13, Top Layer to Bottom Layer, 3 vias
v8: diameter 20, hole 15, Top Layer to Bottom Layer, 3 vias
v9: diameter 22, hole 18, Top Layer to Bottom Layer, 1 vias
v10: diameter 14, hole 10, Top Layer to Bottom Layer, 1 vias
v11: diameter 16, hole 14, Top Layer to Bottom Layer, 1 vias
v12: diameter 18, hole 15, Top Layer to Bottom Layer, 1 vias
v13: diameter 78.74, hole 78.74, Top Layer to Bottom Layer, 1 vias